# Altium PCB Mosaic-Alto.PcbDoc (part 2 of 2) (continued)
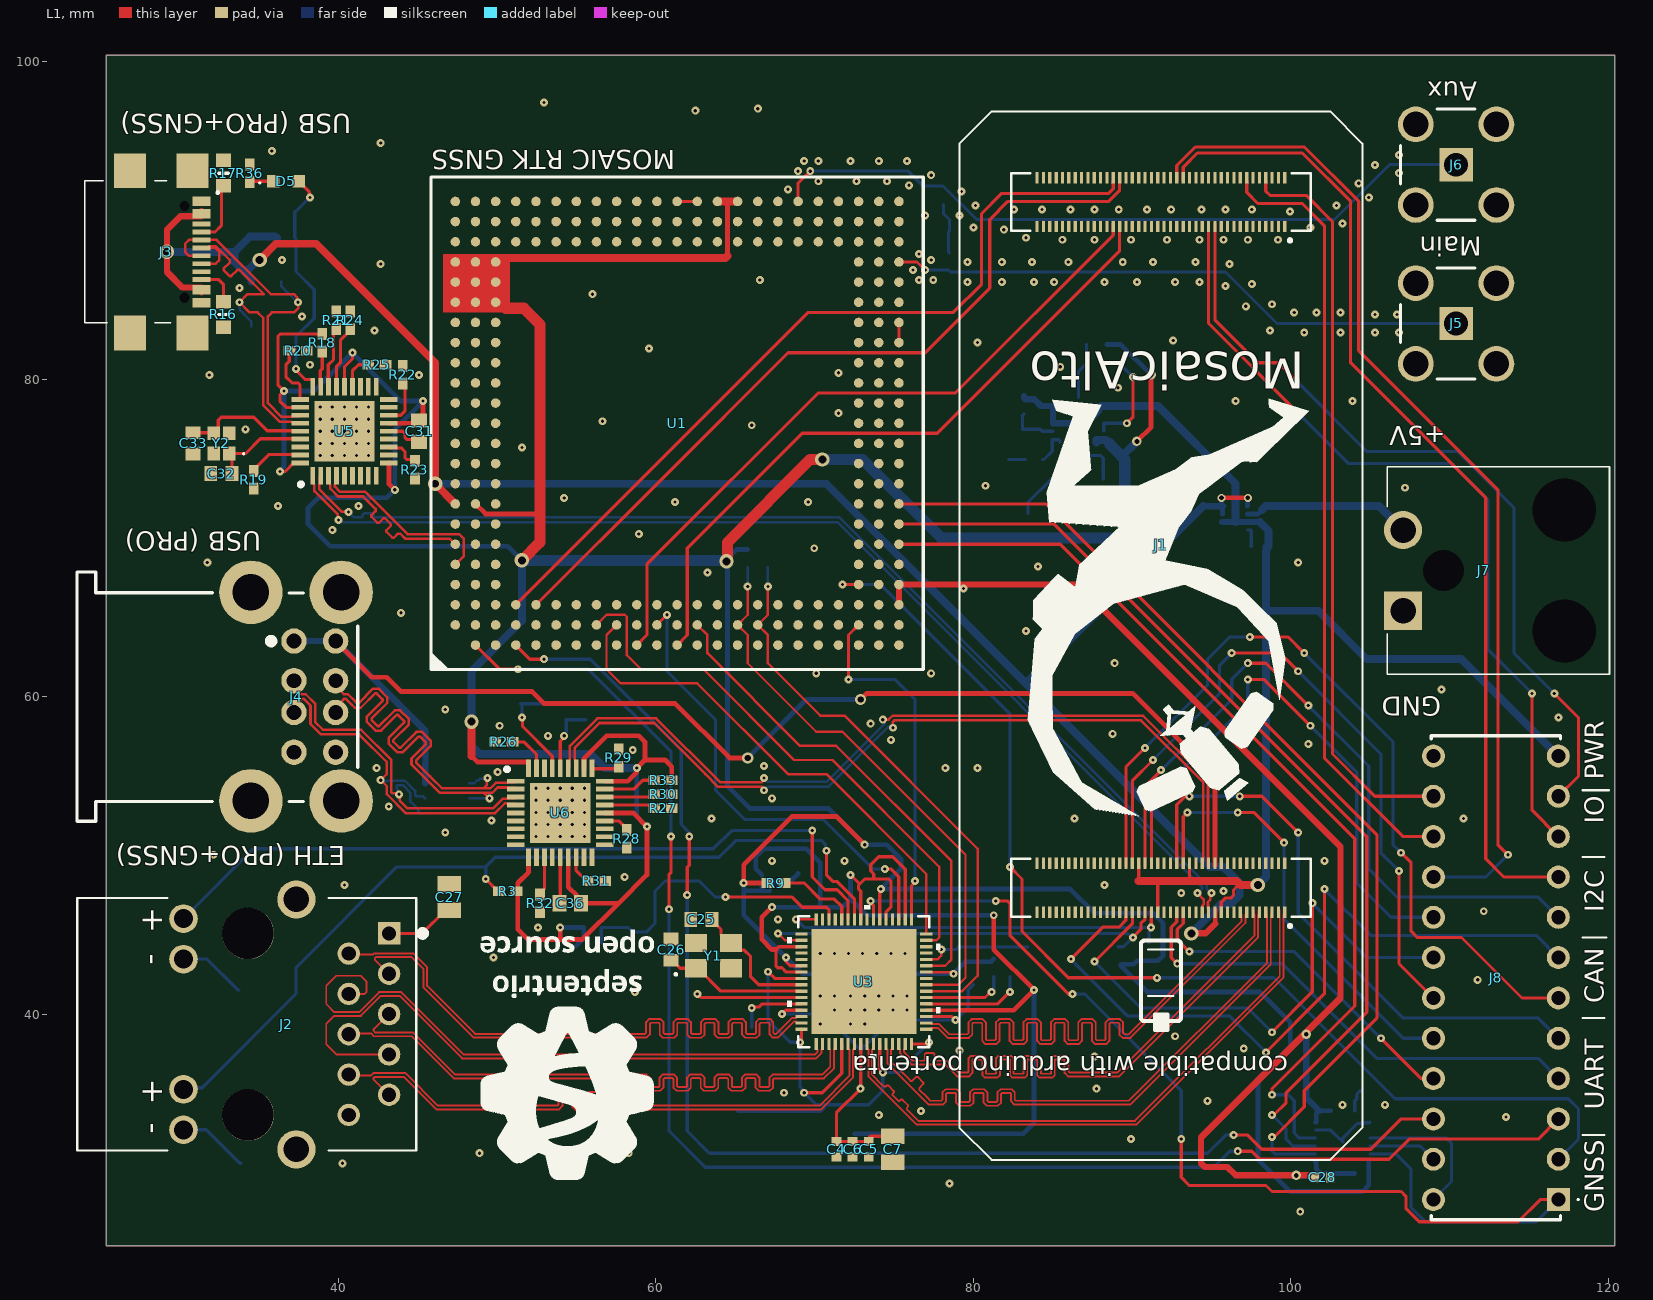
[diagram p0: L1 view]
## Nets (pads, with @x,y where several pads share a name; then routed paths per layer and width w, separated by ;. In a path a pad name is that pad's centre, name@x,y a point inside that pad or via, vN(x,y) a via of type N, cw(c..) or ccw(c..) an arc to the next point about the centre after c; other vN are vias at no path point) (continued)
  L4 w0.2: C8.1@65.151,33.881 C9.1@66.167,33.881 C10.1@67.183,33.881 C11.1@68.199,33.881 C12.1@69.215,33.881 70.399,33.881 C13.1@70.612,34.094 ; v1(67.056,42.672) 67.056,39.624 68.453,38.227 v1(69.088,38.227) 69.088,35.401 69.342,35.147 v1(69.342,35.052) 70.104,34.29 73.406,34.29 74.295,35.179 v1(74.295,36.322) 75.311,36.322 v1(77.216,38.227)
NetC25_1: C25.1 U3.57 Y1.3 | length 8.4
  L1 w0.2: C25.1@63.535,45.974 63.535,45.904 64.102,45.337 64.102,44.988 64.602,44.488 Y1.3@64.727,44.488 ; Y1.3@64.787,44.488 Y1.3@64.727,44.488 ; U3.57@69.18,41.85 66.481,41.85 65.972,42.359 65.972,43.629 65.57,44.031 65.184,44.031 Y1.3@64.727,44.488
NetC26_1: C26.1 U3.58 Y1.1 | length 9
  L1 w0.2: C26.1@60.96,43.399 61.03,43.399 61.541,42.888 Y1.1@62.527,42.888 62.652,42.888 64.09,41.45 U3.58@69.18,41.45
NetC27_1: C27.1 J2.P1 | length 4.4
  L1 w0.2: J2.P1@43.18,45.085 45.284,45.085 46.75,46.551 C27.1@46.99,46.551
NetC31_1: C31.1 U5.14 | length 2.4
  L1 w0.2: U5.14@43.192,76.716 44.061,76.716 44.196,76.581 44.196,76.317 44.313,76.2 44.675,76.2 45.04,75.835 C31.1@45.04,75.819
NetC32_2: C32.2 U5.33 Y2.1 | length 6.2
  L1 w0.2: C32.2@33.309,74.041 33.309,75.126 Y2.1@33.129,75.306 34.158,75.306 35.092,76.24 37.568,76.24 U5.33@37.592,76.216
NetC33_2: C33.2 U5.32 Y2.3 | length 7.8
  L1 w0.2: C33.2@30.861,76.616 32.119,76.616 Y2.3@32.149,76.586 32.439,76.876 32.439,77.407 32.629,77.597 34.671,77.597 35.528,76.74 37.568,76.74 U5.32@37.592,76.716
NetC34_1: C34.1 U6.33 Y3.1 | length 6.5
  L1 w0.2: v1(51.562,58.674) 51.604,58.632 51.604,58.124 53.481,56.247 U6.33@53.481,55.473
  L4 w0.2: v1(51.562,58.674) 51.562,59.471 C34.1@51.47,59.563 51.488,59.545 Y3.1@53.081,59.545
NetC35_1: C35.1 U6.32 Y3.3 | length 4.5
  L1 w0.2: U6.32@53.981,55.473 53.975,55.479 53.975,57.196 54.229,57.45 v1(54.229,57.531)
  L4 w0.2: v1(54.229,57.531) 54.229,57.612 54.356,57.739 54.356,58.56 Y3.3@54.361,58.565 54.379,58.547 C35.1@55.591,58.547
NetC36_1: C36.1 U6.14 | length 2.8
  L1 w0.2: C36.1@53.981,47.041 U6.14@53.981,49.873
NetC37_1: C37.1 L4.2 L5.1 | length 3.3
  L4 w0.184: L5.1@78.105,91.002 78.105,90.424 78.486,90.043 78.486,89.332 C37.1@78.435,89.281 78.435,87.992 L4.2@78.486,87.941
NetC40_1: C40.1 U8.2 | length 3.1
  L4 w0.2: U8.2@87.139,76.001 87.139,75.421 87.376,75.184 88.011,75.184 88.183,75.012 C40.1@88.183,73.705
NetC43_1: C43.1 L6.1 U8.10 | length 3.6
  L4 w0.2: U8.10@86.614,78.851 86.614,80.46 87.15,80.996 C43.1@87.15,81.026 87.128,81.048 87.128,82.147 L6.1@87.107,82.169
NetC43_2: C43.2 U8.13 U8.14 | length 7.3
  L1 w0.2: v1(89.662,77.216) 90.043,77.597 v1(90.043,80.137)
  L4 w0.2: C43.2@88.11,81.026 89.154,81.026 v1(90.043,80.137) ; U8.14@88.214,76.726 U8.13@88.214,77.226 88.219,77.221 89.657,77.221 v1(89.662,77.216)
NetC48_1: C48.1 R38.2 R40.1 U8.4 | length 6.5
  L4 w0.2: R38.2@83.439,71.543 83.439,72.241 84.893,73.695 C48.1@84.963,73.695 85.083,73.575 R40.1@86.106,73.575 86.089,73.592 U8.4@86.089,76.001
NetC48_2: C48.2 R39.1 | length 1.1
  L4 w0.2: R39.1@84.963,71.289 C48.2@84.963,72.355
NetD2_1: D2.1 J6.1 L5.2 U1.V23 | length 45.2
  L1 w0.184: U1.V23@68.961,91.186 68.961,92.329 v1(69.723,93.091)
  L4 w0.184: v1(69.723,93.091) 75.892,93.091 76.837,92.146 D2.1@76.962,92.146 78.091,92.146 L5.2@78.105,92.132 78.12,92.132 80.209,90.043 102.743,90.043 106.2,93.5 J6.1@110,93.5
NetD5_1: D5.1 R36.1 | length 1.5
  L1 w0.2: R36.1@34.417,92.414 34.459,92.456 D5.1@35.903,92.456
NetD6_2: D6.2 R43.2 | length 1.1
  L4 w0.2: D6.2@82.207,74.93 R43.2@83.27,74.93
NetJ2_P12: J2.P12 R10.1 | length 4.3
  L4 w0.2: J2.P12@30.23,43.465 31.729,43.465 33.665,41.529 R10.1@33.74,41.529
NetJ2_P14: J2.P14 R11.1 | length 4.5
  L4 w0.2: J2.P14@30.23,32.715 31.684,32.715 33.792,30.607 R11.1@33.867,30.607
NetJ3_A5: J3.A5 R17.1 | length 4
  L1 w0.2: J3.A5@31.386,89.261 32.238,89.261 32.639,89.662 32.639,92.037 R17.1@32.766,92.164
NetJ3_B5: J3.B5 R16.1 | length 2.6
  L1 w0.2: J3.B5@31.386,86.261 32.484,86.261 32.766,85.979 R16.1@32.766,84.874
NetJ5_1: J5.1 L4.1 U1.AC20 | length 36.3
  L1 w0.184: U1.AC20@75.311,87.376 76.454,87.376 v1(76.962,86.868)
  L4 w0.184: v1(76.962,86.868) 78.429,86.868 L4.1@78.486,86.811 78.556,86.741 95.885,86.741 99.126,83.5 J5.1@110,83.5
NetJ7_2: J7.2 U7.6 | length 10.6
  L4 w0.3: U7.6@97.26,71.497 97.913,71.497 98.171,71.755
  L4 w0.5: 98.171,71.755 98.413,71.997 105.549,71.997 J7.2@107.061,70.485
NetL1_1: L1.1 U2.B2 | length 2
  L4 w0.3: U2.B2@67.175,48.268 67.699,48.268 67.856,48.425 68.53,48.425 L1.1@68.961,48.856
NetR14_1: R14.1 U4.9 | length 1.5
  L4 w0.2: U4.9@104.013,33.922 104.013,34.544 104.14,34.671 104.14,34.862 104.161,34.883 104.161,34.979 104.361,35.179 R14.1@104.436,35.179
NetR18_1: R18.1 U5.26 | length 2.3
  L1 w0.2: U5.26@38.892,79.516 38.862,79.546 38.862,80.518 38.989,80.645 R18.1@38.989,81.746
NetR19_1: R19.1 U5.35 | length 3.4
  L1 w0.2: R19.1@34.671,74.21 34.671,74.285 35.626,75.24 37.568,75.24 U5.35@37.592,75.216
NetR20_1: R20.1 U5.28 | length 3.8
  L1 w0.2: R20.1@36.915,81.788 36.915,81.111 36.703,80.899 36.703,80.137 37.084,79.756 37.465,79.756 37.592,79.629 U5.28@37.592,78.716
NetR21_1: R21.1 U5.25 | length 3.8
  L1 w0.2: U5.25@39.392,79.516 39.37,79.538 39.37,80.899 39.698,81.227 39.698,82.963 R21.1@39.878,83.143
NetR22_1: R22.1 U5.16 | length 2.9
  L1 w0.2: U5.16@43.192,77.716 43.934,77.716 44.196,77.978 44.196,79.587 R22.1@44.069,79.714
NetR23_1: R23.1 U5.12 | length 2.2
  L1 w0.2: U5.12@43.192,75.716 43.242,75.666 43.968,75.666 44.196,75.438 44.196,75.057 44.313,74.94 44.736,74.94 R23.1@44.831,74.845
NetR24_2: R24.2 U5.24 | length 4
  L1 w0.2: U5.24@39.892,79.516 39.878,79.53 39.878,80.772 40.132,81.026 40.132,82.433 40.767,83.068 R24.2@40.767,83.143
NetR25_2: R25.2 U5.22 | length 2.1
  L1 w0.2: U5.22@40.892,79.516 40.892,80.516 41.275,80.899 R25.2@41.868,80.899
NetR26_1: R26.1 U6.35 | length 2.7
  L1 w0.2: R26.1@50.969,57.15 51.689,57.15 52.481,56.358 U6.35@52.481,55.473
NetR27_1: R27.1 U6.24 | length 3.2
  L1 w0.2: U6.24@56.781,53.173 59.613,53.173 59.827,52.959 R27.1@59.902,52.959
NetR28_1: R28.1 U6.22 | length 1.7
  L1 w0.2: U6.22@56.781,52.173 57.672,52.173 58.166,51.679 R28.1@58.166,51.604
NetR29_1: R29.1 U6.28 | length 1.7
  L1 w0.2: U6.28@55.981,55.473 55.997,55.457 R29.1@57.658,55.457
NetR30_1: R30.1 U6.25 | length 3.2
  L1 w0.2: U6.25@56.781,53.673 59.727,53.673 R30.1@59.902,53.848
NetR31_1: R31.1 U6.16 | length 1.8
  L1 w0.2: U6.16@54.981,49.873 54.981,49.042 55.636,48.387 R31.1@55.711,48.387
NetR32_1: R32.1 U6.12 | length 2.4
  L1 w0.2: R32.1@52.705,47.54 52.705,47.615 52.981,47.891 U6.12@52.981,49.873
NetR33_1: R33.1 U6.26 | length 3.4
  L1 w0.2: U6.26@56.781,54.173 58.618,54.173 59.182,54.737 R33.1@59.902,54.737
NetR37_1: R37.1 U7.8 | length 1.2
  L4 w0.2: U7.8@97.26,70.497 97.444,70.497 97.494,70.447 R37.1@97.494,69.469
NetR41_1: R41.1 R42.1 U8.6 | length 3
  L4 w0.2: R41.1@83.185,77.809 83.1,77.724 R42.1@83.1,76.835 84.201,76.835 84.328,76.708 84.996,76.708 U8.6@85.014,76.726
NetR43_1: R43.1 U8.5 U8.16 | length 2.2
  L4 w0.2: R43.1@84.37,74.93 84.445,74.93 84.964,75.449 U8.16@84.964,76.176 85.364,76.176 85.464,76.076 U8.5@85.464,76.001
NetU1_AC16: U1.AC16 U1.AC17 | length 1.3
  L1 w0.2: U1.AC16@75.311,82.296 U1.AC17@75.311,83.566
NetU1_M23: U1.M23 U1.N23 | length 1.3
  L1 w0.2: U1.M23@61.341,91.186 U1.N23@62.611,91.186
PPS_1V8: U1.AC8 U4.3 | length 64.3
  L1 w0.2: U1.AC8@75.311,72.136 84.582,72.136 105.41,51.308 105.41,39.751 100.838,35.179 100.838,34.163 98.933,32.258 v1(98.806,32.258)
  L4 w0.2: v1(98.806,32.258) 98.806,31.359 98.968,31.197 U4.3@101.538,31.197
PRO_ADC0: J1.153 J8.14 | length 46.7
  L1 w0.2: J1.153@98.411,92.499 98.411,91.835 98.679,91.567 100.965,91.567 102.616,89.916 102.616,56.388 105.283,53.721 J8.14@108.97,53.721
PRO_GP0: J1.136 J8.10 | length 51.5
  L1 w0.2: J1.136@94.811,89.789 94.811,83.497 v1(100.33,77.978) ; v1(115.189,60.198) 115.189,52.832 J8.10@116.84,51.181
  L4 w0.2: v1(100.33,77.978) 103.632,74.676 110.109,74.676 112.395,72.39 112.395,62.992 v1(115.189,60.198)
PRO_GP1: J1.138 J8.11 | length 50.2
  L1 w0.2: J1.138@95.211,89.789 95.211,83.732 97.917,81.026 99.187,81.026 v1(100.33,79.883) ; v1(116.586,60.198) 118.11,58.674 118.11,54.991 J8.11@116.84,53.721
  L4 w0.2: v1(100.33,79.883) 104.775,75.438 110.49,75.438 114.046,71.882 114.046,62.738 v1(116.586,60.198)
PRO_RX0: J1.35 J8.4 | length 30.7
  L1 w0.2: J1.35@92.811,46.609 92.811,45.821 92.456,45.466 92.456,43.561 v1(92.837,43.18)
  L4 w0.2: v1(92.837,43.18) 99.441,43.18 105.41,37.211 115.57,37.211 J8.4@116.84,35.941
PRO_RX1: J1.36 J8.5 | length 37.4
  L1 w0.2: J1.36@92.811,49.319 92.811,53.187 93.345,53.721 v1(93.599,53.721) ; v1(96.774,53.721) 98.171,53.721 v1(100.457,51.435)
  L4 w0.2: v1(93.599,53.721) v1(96.774,53.721) ; v1(100.457,51.435) 100.457,46.355 107.061,39.751 115.57,39.751 J8.5@116.84,38.481
PRO_TIM0: J1.147 J8.15 | length 48.9
  L1 w0.2: J1.147@97.211,92.499 97.211,91.765 97.917,91.059 100.711,91.059 102.108,89.662 102.108,56.134 107.061,51.181 J8.15@108.97,51.181
PRO_TX0: J1.33 J8.21 | length 21.8
  L1 w0.2: J1.33@93.211,46.609 93.211,45.713 92.837,45.339 92.837,44.704 v1(93.599,43.942) ; v1(105.664,38.481) 108.204,35.941 J8.21@108.97,35.941
  L4 w0.2: v1(93.599,43.942) 100.203,43.942 v1(105.664,38.481)
PRO_TX1: J1.34 J8.20 | length 27.7
  L1 w0.2: J1.34@93.211,49.319 93.211,52.444 v1(93.472,52.705) ; v1(96.647,52.705) 97.663,52.705 v1(99.568,50.8)
  L4 w0.2: v1(93.472,52.705) v1(96.647,52.705) ; v1(99.568,50.8) 99.568,45.974 107.061,38.481 J8.20@108.97,38.481
RMII_CLK: U1.AA2 U3.33 | length 22.3
  L1 w0.2: v1(72.136,61.087) 72.136,63.881 U1.AA2@72.771,64.516 ; U3.33@76.104,45.974 76.104,48.083 76.327,48.306 v1(76.327,48.387)
  L4 w0.2: v1(72.136,61.087) 75.057,61.087 76.327,59.817 v1(76.327,48.387)
RMII_CRSDV: U1.N2 U3.27 | length 30.8
  L1 w0.15: U1.N2@62.611,64.516 63.246,63.881 63.246,62.738 69.088,56.896 71.366,56.896 78.613,49.649 78.613,43.434 78.229,43.05 U3.27@77.028,43.05
RMII_RXD0: R7.2 U1.R2 U3.24 | length 35.7
  L1 w0.15: v1(65.786,66.929) 65.786,65.151 U1.R2@65.151,64.516 65.786,63.881 65.786,62.103 70.104,57.785 71.755,57.785 79.502,50.038 79.502,42.291 79.061,41.85 U3.24@77.028,41.85
  L4 w0.15: v1(65.786,66.929) R7.2@65.786,68.157
RMII_RXD1: R6.2 U1.T2 U3.23 | length 36.3
  L1 w0.15: v1(67.056,66.929) 67.056,65.151 U1.T2@66.421,64.516 67.056,63.881 67.056,62.103 70.358,58.801 71.882,58.801 80.264,50.419 80.264,42.418 79.296,41.45 U3.23@77.028,41.45
  L4 w0.15: v1(67.056,66.929) R6.2@67.056,68.157
RMII_RXD2: R5.2 U3.22 | length 5.3
  L1 w0.2: U3.22@77.028,41.05 80.727,41.05 81.08,41.402 v1(81.153,41.402)
  L4 w0.2: v1(81.153,41.402) 81.28,41.529 R5.2@81.28,42.376
RMII_RXD3: R4.2 U3.21 | length 6.6
  L1 w0.2: U3.21@77.028,40.65 81.544,40.65 v1(82.296,41.402)
  L4 w0.2: v1(82.296,41.402) R4.2@82.296,42.376
RMII_RXER: R8.2 U3.28 | length 7
  L1 w0.15: U3.28@77.028,43.45 77.74,43.45 77.978,43.688 v1(77.978,44.069)
  L4 w0.2: v1(77.978,44.069) 78.91,44.069 79.079,44.238 R8.2@83.439,44.238
RMII_TXD0: U1.J2 U3.32 | length 32.3
  L1 w0.15: U1.J2@57.531,64.516 56.896,63.881 56.896,61.722 57.785,60.833 62.611,60.833 68.326,55.118 70.739,55.118 77.028,48.829 U3.32@77.028,45.05
RMII_TXD1: U1.H2 U3.31 | length 35.2
  L1 w0.15: U1.H2@56.261,64.516 56.896,65.151 58.039,65.151 58.166,65.024 58.166,62.611 59.055,61.722 62.992,61.722 68.707,56.007 71.12,56.007 77.851,49.276 77.851,44.831 77.67,44.65 U3.31@77.028,44.65
RMII_TXEN: U1.L2 U3.35 | length 29.7
  L1 w0.2: U1.L2@60.071,64.516 v1(60.706,65.151) ; v1(74.422,49.149) 74.803,49.149 75.304,48.648 U3.35@75.304,45.974
  L4 w0.2: v1(60.706,65.151) 60.706,61.595 63.754,58.547 63.754,54.102 65.596,52.261 70.549,52.261 73.66,49.149 v1(74.422,49.149)
USBA_D1_N: D3.1 J4.2A U6.1 | length 25.5
  L1 w0.16: J4.2A@39.83,61 39.83,60.667 40.35,60.147 40.605,60.147 41.042,59.711 41.159,59.593 41.292,59.593 42.196,60.497 42.535,60.497 43.086,59.946 43.086,59.608 42.099,58.621 42.099,58.526 42.477,58.149 42.571,58.149 43.558,59.135 43.897,59.135 44.447,58.585 44.447,58.246 43.461,57.259 43.461,57.165 43.839,56.787 43.933,56.787 44.92,57.773 45.259,57.773 45.809,57.223 45.809,56.884 44.905,55.98 44.905,55.847 45.781,54.971 45.868,54.884 46.523,54.229 49.149,54.229 ; v1(49.403,54.864) 49.338,54.799 49.338,54.418 49.149,54.229 ; U6.1@51.181,54.673 51.111,54.603 50.65,54.603 50.617,54.571 49.917,54.571 49.575,54.229 49.149,54.229
  L4 w0.16: D3.1@48.263,54.544 48.563,54.544 48.756,54.737 48.833,54.737 48.913,54.817 49.356,54.817 v1(49.403,54.864)
USBA_D1_P: D3.2 J4.3A U6.2 | length 25.2
  L1 w0.16: J4.3A@39.83,59 39.83,59.333 40.35,59.852 40.482,59.852 40.833,59.502 41.037,59.298 41.414,59.298 42.318,60.202 42.413,60.202 42.791,59.824 42.791,59.73 41.804,58.743 41.804,58.404 42.355,57.854 42.693,57.854 43.68,58.84 43.775,58.84 44.152,58.462 44.152,58.368 43.166,57.381 43.166,57.042 43.717,56.492 44.055,56.492 45.042,57.478 45.136,57.478 45.514,57.101 45.514,57.006 44.61,56.102 44.61,55.725 45.659,54.676 46.401,53.934 49.19,53.934 ; v1(49.53,53.594) 49.19,53.934 ; U6.2@51.181,54.173 51.111,54.243 50.65,54.243 50.617,54.276 50.039,54.276 49.697,53.934 49.19,53.934
  L4 w0.16: D3.2@48.263,53.594 v1(49.53,53.594)
USBA_D2_N: D3.4 J4.2B U6.3 | length 23.4
  L1 w0.16: J4.2B@37.21,61 37.21,60.633 37.696,60.147 37.95,60.147 38.545,59.553 38.545,58.397 39.03,57.912 41.438,57.912 43.348,56.002 43.348,53.975 43.41,53.913 43.75,53.913 v1(43.815,53.848) 43.88,53.783 43.88,53.434 44.355,52.959 49.751,52.959 50.363,53.571 50.617,53.571 50.65,53.603 51.111,53.603 U6.3@51.181,53.673
  L4 w0.16: v1(43.815,53.848) 43.75,53.913 43.75,54.134 43.691,54.193 43.691,54.419 44.064,54.419 44.545,53.938 44.545,53.385 45.043,52.888 45.043,52.764 45.163,52.644 D3.4@45.463,52.644
USBA_D2_P: D3.5 J4.3B U6.4 | length 23.4
  L1 w0.16: J4.3B@37.21,59 37.21,59.367 37.696,59.852 37.828,59.852 38.25,59.431 38.25,58.275 38.653,57.871 38.908,57.617 41.316,57.617 43.053,55.88 43.053,55.118 v1(42.672,54.737) 43.053,54.356 43.053,53.853 44.242,52.664 49.873,52.664 50.485,53.276 50.617,53.276 50.65,53.243 51.111,53.243 U6.4@51.181,53.173
  L4 w0.16: v1(42.672,54.737) 42.737,54.672 43.091,54.672 43.133,54.714 44.186,54.714 44.84,54.06 44.84,53.808 44.934,53.714 45.343,53.714 D3.5@45.463,53.594
USBA_UP_N: J1.28 U6.30 | length 52.1
  L1 w0.16: U6.30@54.981,55.473 54.911,55.543 54.911,56.004 54.879,56.037 54.879,56.769 56.448,58.338 59.899,58.338 63.119,55.118 63.922,54.315 v1@66.675,54.315 ; v1(74.93,58.039) 74.935,58.044 74.935,58.407 75.029,58.501 90.561,58.501 94.481,54.581 94.481,49.663 94.446,49.628 94.446,49.354 J1.28@94.411,49.319
  L4 w0.16: v1(66.802,54.102) 66.832,54.102 67.066,54.335 70.882,54.335 74.631,58.084 74.885,58.084 v1(74.93,58.039)
USBA_UP_P: J1.26 U6.31 | length 53.5
  L1 w0.16: U6.31@54.481,55.473 54.551,55.543 54.551,56.004 54.584,56.037 54.584,56.891 56.326,58.633 60.021,58.633 64.044,54.61 66.675,54.61 66.675,54.645 66.802,54.772 v1(66.802,54.864) ; v1(74.295,58.547) 74.3,58.552 74.663,58.552 74.907,58.796 90.683,58.796 94.776,54.703 94.776,49.354 J1.26@94.811,49.319
  L4 w0.16: v1(66.802,54.864) 66.832,54.864 67.066,54.631 70.76,54.631 74.422,58.293 74.422,58.328 74.295,58.455 v1(74.295,58.547)
USBA_VBUS: C38.1 D3.6 J1.24 J4.1A J4.1B | length 81.9
  L1 w0.3: J4.1A@39.83,63.5 42.116,61.214 43.053,61.214 43.942,60.325 52.197,60.325 52.959,59.563 61.214,59.563 64.643,56.134 v5(65.786,56.134) ; v5(72.898,59.817) 73.279,60.198 90.043,60.198 95.211,55.03 J1.24@95.211,49.319
  L4 w0.3: v5(65.786,56.134) 69.469,59.817 v5(72.898,59.817)
  L4 w0.4: J4.1B@37.21,63.5 J4.1A@39.83,63.5 45.494,57.836 C38.1@45.494,55.753 45.479,55.738 45.479,54.544 D3.6@45.463,54.544
USBC_D1_N: J1.27 U5.1 | length 69.2
  L1 w0.16: U5.1@38.392,73.916 38.462,73.846 38.462,73.385 38.494,73.352 38.494,72.942 39.974,71.462 39.974,71.151 v1(40.005,71.12) ; v1(94.107,47.625) 94.5,47.232 94.5,46.913 94.411,46.824 J1.27@94.411,46.609
  L4 w0.16: v1(40.005,71.12) 40.132,70.993 71.432,70.993 94.404,48.021 94.404,47.888 94.141,47.625 v1(94.107,47.625)
USBC_D1_P: J1.25 U5.2 | length 69.2
  L1 w0.16: U5.2@38.892,73.916 38.822,73.846 38.822,73.385 38.789,73.352 38.789,73.064 40.22,71.633 40.635,71.633 v1(40.64,71.628) ; J1.25@94.811,46.609 94.776,46.644 94.776,46.929 94.769,46.936 94.769,47.055 94.931,47.217 94.931,47.56 v1(94.996,47.625)
  L4 w0.16: v1(40.64,71.628) 40.98,71.288 41.381,71.288 41.461,71.288 41.554,71.382 41.554,71.47 41.621,71.537 42.155,71.537 42.222,71.47 42.222,71.382 42.316,71.288 43.411,71.288 71.554,71.288 94.699,48.143 94.699,47.888 94.962,47.625 v1(94.996,47.625)
USBC_D2_N: U1.A6 U5.3 | length 12.1
  L1 w0.16: U5.3@39.392,73.916 39.462,73.846 39.462,73.385 39.494,73.352 39.494,73.098 39.989,72.603 41.57,72.603 41.881,72.292 ; 41.824,72.349 41.881,72.292 ; U1.A6@47.371,69.596 47.031,69.936 44.237,69.936 44.18,69.993 43.903,70.27 43.77,70.27 43.505,70.006 43.411,70.006 43.033,70.384 43.033,70.478 43.317,70.762 43.317,70.856 42.939,71.234 42.844,71.234 42.561,70.951 42.466,70.951 42.088,71.328 42.088,71.423 42.353,71.688 42.353,71.82 41.881,72.292
USBC_D2_P: U1.A5 U5.4 | length 12.1
  L1 w0.16: U5.4@39.892,73.916 39.822,73.846 39.822,73.385 39.789,73.352 39.789,73.22 40.111,72.898 41.692,72.898 41.779,72.812 42.089,72.501 44.359,70.231 47.62,70.231 47.82,70.031 47.907,69.944 47.907,68.862 U1.A5@47.371,68.326
USBC_DET: D5.2 R34.2 R35.1 U5.27 | length 15.3
  L1 w0.2: v1(37.338,80.645) 37.338,80.564 37.936,79.966 38.342,79.966 38.392,79.916 U5.27@38.392,79.516 ; D5.2@37.503,92.456 38.17,91.789 38.17,91.497 v1(38.227,91.44)
  L4 w0.2: v1(37.338,80.645) 37.338,82.688 38.481,83.831 38.481,85.629 37.338,86.772 37.338,88.815 R34.2@37.253,88.9 R35.1@37.253,90.551 37.328,90.551 38.217,91.44 v1(38.227,91.44)
USBC_UP_N: D4.3 J3.A7 J3.B7 U5.30 | length 22.8
  L1 w0.16: J3.A7@31.386,87.761 30.603,87.761 30.353,88.011 30.353,88.519 30.595,88.761 J3.B7@31.386,88.761 32.33,88.761 35.747,85.344 37.211,85.344 37.406,85.149 37.406,84.895 v1(37.465,84.836) ; v1@37.465,84.869 v1(37.465,84.836) ; U5.30@37.592,77.716 37.522,77.646 37.061,77.646 37.028,77.614 36.432,77.614 35.56,78.486 35.56,83.947 35.814,84.201 37.211,84.201 37.465,84.455 v1(37.465,84.836)
  L4 w0.16: D4.3@36.418,86.132 36.418,85.832 37.414,84.836 v1(37.465,84.836)
USBC_UP_P: D4.6 J3.A6 J3.B6 U5.31 | length 22.8
  L1 w0.16: J3.B6@31.386,87.261 32.27,87.261 32.512,87.503 32.512,88.011 32.262,88.261 J3.A6@31.754,88.261 ; J3.A6@31.386,88.261 J3.A6@31.754,88.261 ; U5.31@37.592,77.216 37.522,77.286 37.061,77.286 37.028,77.319 36.31,77.319 35.351,78.277 35.265,78.364 35.265,83.861 34.925,84.201 34.417,84.201 v1(33.782,84.836) 34.29,85.344 35.306,85.344 34.04,86.61 33.984,86.666 33.773,86.877 33.64,86.877 33.246,86.483 33.152,86.483 32.774,86.861 32.774,86.956 33.168,87.35 33.168,87.482 32.696,87.954 32.639,88.011 32.287,88.364 31.857,88.364 J3.A6@31.754,88.261
  L4 w0.16: v1(33.782,84.836) 33.804,84.814 33.804,84.346 34.518,83.632 D4.6@34.518,83.332
USBC_VBUS: C39.1 D4.1 J1.23 J3.A4 J3.A9 J3.B4 J3.B9 R34.1 U1.A8 U7.3 U7.4 U7.5 | length 132.2
  L1 w0.2: J1.23@95.211,46.609 J1.23@95.226,46.594
  L1 w0.3: v2(93.726,45.085) v2@93.737,45.096 ; 95.226,45.696 J1.23@95.226,46.594 ; v4(95.631,72.517) v4(97.282,72.517)
  L1 w0.4: J3.A9@31.386,85.461 J3.B4@31.386,85.761 30.19,85.761 29.21,86.741 v2(29.21,88.011) 29.21,89.408 30.063,90.261 J3.B9@31.386,90.261 J3.A4@31.386,90.561 ; v2@93.737,45.096 94.626,45.096 95.226,45.696
  L1 w0.5: v2(35.052,87.503) 36.068,88.519 38.608,88.519 46.101,81.026 v2(46.101,73.406) U1.A8@47.371,72.136
  L4 w0.3: v4(95.631,72.517) 95.631,71.997 U7.4@95.682,71.997 ; U7.3@95.682,71.497 U7.4@95.682,71.997 ; U7.4@95.78,71.997 U7.4@95.682,71.997 ; U7.5@97.26,71.997 97.26,72.495 v4(97.282,72.517)
  L4 w0.4: 94.476,71.997 U7.4@95.631,71.997
  L4 w0.5: v2(29.21,88.011) 33.473,88.011 ; D4.1@34.518,86.132 34.518,86.332 33.995,86.855 ; v2(35.052,87.503) 34.944,87.503 34.295,86.855 33.995,86.855 ; R34.1@36.153,88.9 36.078,88.9 36.009,88.969 C39.1@34.671,88.969 34.431,88.969 33.473,88.011 ; v2(46.101,73.406) 70.739,73.406 83.312,60.833 ; v2(93.726,45.085) 95.567,46.926 96.203,46.926 96.774,47.498 96.774,48.26 95.758,49.276 94.869,49.276 83.312,60.833 ; 94.476,71.997 83.312,60.833 ; 33.473,88.011 33.473,87.377 33.995,86.855
pads on no net: D1.2 D1.3 D1.4 D1.5 D4.2 D4.5 J1.2 J1.4 J1.6 J1.8 J1.10 J1.12 J1.14 J1.16 J1.17 J1.18 J1.19 J1.20 J1.29 J1.37 J1.38 J1.39 J1.40 J1.53 J1.55 J1.56 J1.57 J1.58 J1.59 J1.60 J1.61 J1.62 J1.63 J1.64 J1.65 J1.66 J1.67 J1.68 J1.69 J1.70 J1.71 J1.72 J1.73 J1.74 J1.75 J1.76 J1.77 J1.78 J1.79 J1.80 J1.81 J1.82 J1.83 J1.84 J1.85 J1.86 J1.87 J1.88 J1.89 J1.90 J1.91 J1.92 J1.93 J1.94 J1.95 J1.96 J1.97 J1.98 J1.99 J1.100 J1.101 J1.102 J1.103 J1.109 J1.110 J1.111 J1.112 J1.114 J1.115 J1.116 J1.117 J1.118 J1.119 J1.120 J1.121 J1.122 J1.123 J1.126 J1.128 J1.129 J1.130 J1.131 J1.132 J1.133 J1.134 J1.135 J1.139 J1.140 J1.141 J1.142 J1.143 J1.144 J1.145 J1.146 J1.148 J1.149 J1.151 J1.152 J1.154 J1.155 J1.156 J1.157 J1.158 J1.159 J1.160 J2.SP1 J2.SP2 J3.A8 J3.B8 J3.MH1 J3.MH2 J7.3 J7.4 J7.5 U1.A2 U1.A9 U1.A10 U1.A12 U1.A13 U1.A14 U1.AA1 U1.AA3 U1.AA5 U1.AA6 U1.AA7 U1.AA8 U1.AA9 U1.AA10 U1.AA11 U1.AA12 U1.AB1 U1.AB9 U1.AB10 U1.AB11 U1.AB12 U1.AC1 U1.AC2 U1.AC5 U1.AC9 U1.AC10 U1.AC11 U1.AC12 U1.AC14 U1.B2 U1.B3 U1.B9 U1.B10 U1.B11 U1.B12 U1.B14 U1.B15 U1.B16 U1.B22 U1.B23 U1.C1 U1.C2 U1.C3 U1.C5 U1.C6 U1.C8 U1.C9 U1.C10 U1.C11 U1.C12 U1.C13 U1.C14 U1.C21 U1.C22 U1.E1 U1.F1 U1.F2 U1.F3 U1.G1 U1.G3 U1.G22 U1.H1 U1.H3 U1.J1 U1.J3 U1.K3 U1.L1 U1.L3 U1.M2 U1.M3 U1.N1 U1.N3 U1.R1 U1.T1 U1.T3 U1.U1 U1.U3 U1.V1 U1.V2 U1.V3 U1.W1 U1.W2 U1.W3 U1.Y1 U1.Y3 U3.25 U3.29 U3.30 U3.36 U3.40 U3.45 U3.47 U3.49 U3.52 U3.53 U4.11 U5.5 U5.6 U5.7 U5.8 U5.9 U5.11 U5.13 U5.17 U5.18 U5.19 U5.20 U5.21 U5.34 U6.5 U6.6 U6.7 U6.8 U6.9 U6.11 U6.13 U6.17 U6.18 U6.19 U6.20 U6.21 U6.34

## Polygon pours and split planes (outlines as drawn)
GND on L3 "NONET_L-01_P-001" (solid, shelved, pour order 1): 25.4,100.4 120.4,100.4 120.4,25.4 25.4,25.4
GND on L1 "L1-GND" (solid, shelved, pour order 9): 25.4,25.4 120.4,25.4 120.4,100.4 25.4,100.4
no net on L2 "NONET_L-01_P-001" (solid, shelved, pour order 0): 25.4,100.4 120.4,100.4 120.4,25.4 25.4,25.4
GND on L4 "NONET_L-01_P-001" (solid, shelved, pour order 5): 25.4,100.4 120.4,100.4 120.4,25.4 25.4,25.4

## Other copper
L1:
  rectangle net +3.3: 46.609,84.201 50.8,87.884
  pour cut-out: 107.86,80.96 112.94,80.96 112.94,86.04 107.86,86.04
  pour cut-out: 107.86,90.96 112.94,90.96 112.94,96.04 107.86,96.04

## Silkscreen, mask and mechanical layers (free items; w line width, h text height)
Top Overlay:
  drawing of 48 lines, arcs and shapes, not listed
  text "Aux" at 111.746,98.733 h1.2 r180
  text "USB (PRO+GNSS)" at 40.831,96.682 h1.2 r180
  text "MOSAIC RTK GNSS" at 61.221,94.415 h1.2 r180
  text "Main" at 112.028,88.954 h1.2 r180
  text "MosaicAlto" at 100.859,82.513 h4 r180
  text "+5V" at 109.759,77.016 h1.2 r180
  text "USB (PRO)" at 35.146,70.393 h1.2 r180
  text "GND" at 109.481,59.998 h1.2 r180
  text "PWR" at 119.688,54.763 h1.2 r90
  text "IO" at 119.688,51.995 h1.2 r90
  text "ETH (PRO+GNSS)" at 40.451,50.581 h1.2 r180
  text "I2C" at 119.688,46.41 h1.2 r90
  text "CAN" at 119.688,40.697 h1.2 r90
  text "compatible with arduino portenta" at 99.821,37.338 h1.2 r180
  text "UART" at 119.688,33.971 h1.2 r90
  text "GNSS" at 119.688,27.526 h1.2 r90
Bottom Overlay:
  text "ANT AUX" at 118.11,96.099 h1.2 r90
  text "ANT MAIN" at 118.237,86.066 h1.2 r90
  text "+5V" at 114.481,73.564 h1.2 r90
  text "GND" at 114.481,65.666 h1.2 r90
  text "PWR" at 119.688,58.013 h1.2 r90
  text "GND" at 107.782,55.786 h0.8
  text "+5V" at 115.656,55.786 h0.8
  text "ADC0" at 107.782,53.246 h0.8
  text "GP1" at 115.656,53.246 h0.8
  text "TIM0" at 107.782,50.706 h0.8
  text "GP0" at 115.656,50.706 h0.8
  text "open-source design by AG" at 27.651,48.833 h1.2 r270
  text "SDA1" at 107.782,48.166 h0.8
  text "SCL1" at 115.656,48.166 h0.8
  text "SDA1" at 107.782,45.626 h0.8
  text "SCL0" at 115.656,45.626 h0.8
  text "PRO" at 119.688,45.086 h1.2 r90
  text "CTX1" at 107.782,43.086 h0.8
  text "CRX1" at 115.656,43.086 h0.8
  text "CTX0" at 107.782,40.546 h0.8
  text "CRX0" at 115.656,40.546 h0.8
  text "TX1" at 107.782,38.006 h0.8
  text "RX1" at 115.656,38.006 h0.8
  text "TX0" at 107.782,35.466 h0.8
  text "RX0" at 115.656,35.466 h0.8
  text "MTX" at 107.782,32.926 h0.8
  text "MRX" at 115.656,32.926 h0.8
  text "GNSS" at 119.561,32.799 h1.2 r90
  text "EVB" at 107.744,30.386 h0.8
  text "MGP" at 115.618,30.386 h0.8
  text "EVA" at 107.782,27.846 h0.8
  text "PPS" at 115.656,27.846 h0.8
Mechanical 1:
  the board outline again, w0.127

## Text inside footprints (layer, text, board x,y; h text height)
J2: Top Overlay "+" at 27.687,46.738 h1.42 r270; Top Overlay "+" at 27.681,35.927 h1.42 r270; Top Overlay "-" at 27.692,43.814 h1.42 r270; Top Overlay "-" at 27.704,33.145 h1.42 r270